# Altium PCB GPS-Tracker.PcbDoc
Units mm, origin at the board's own origin, x right, y up, seen from the top; angles counter-clockwise.
Board outline 85 x 45 mm, 2 copper layers (Top Layer, Bottom Layer), stack 0.87 mm thick; 65 components, 55 nets, 310 pads, 442 vias.
Unrouted connection lines stored in the file: 81.
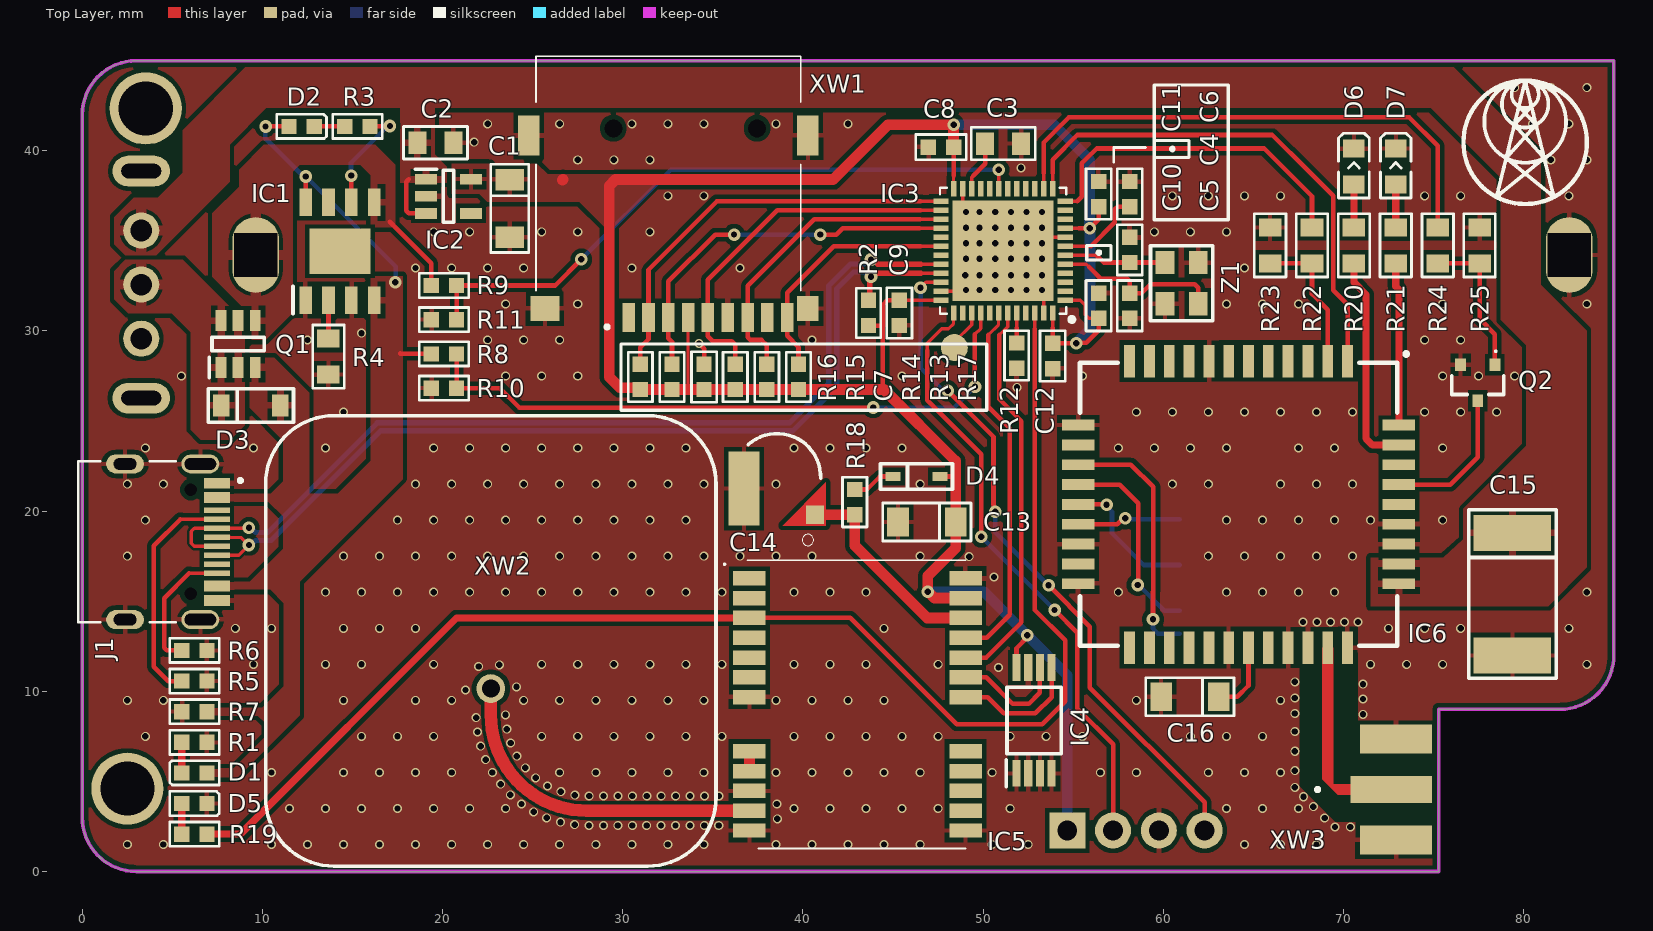
[diagram p0: Top Layer view]
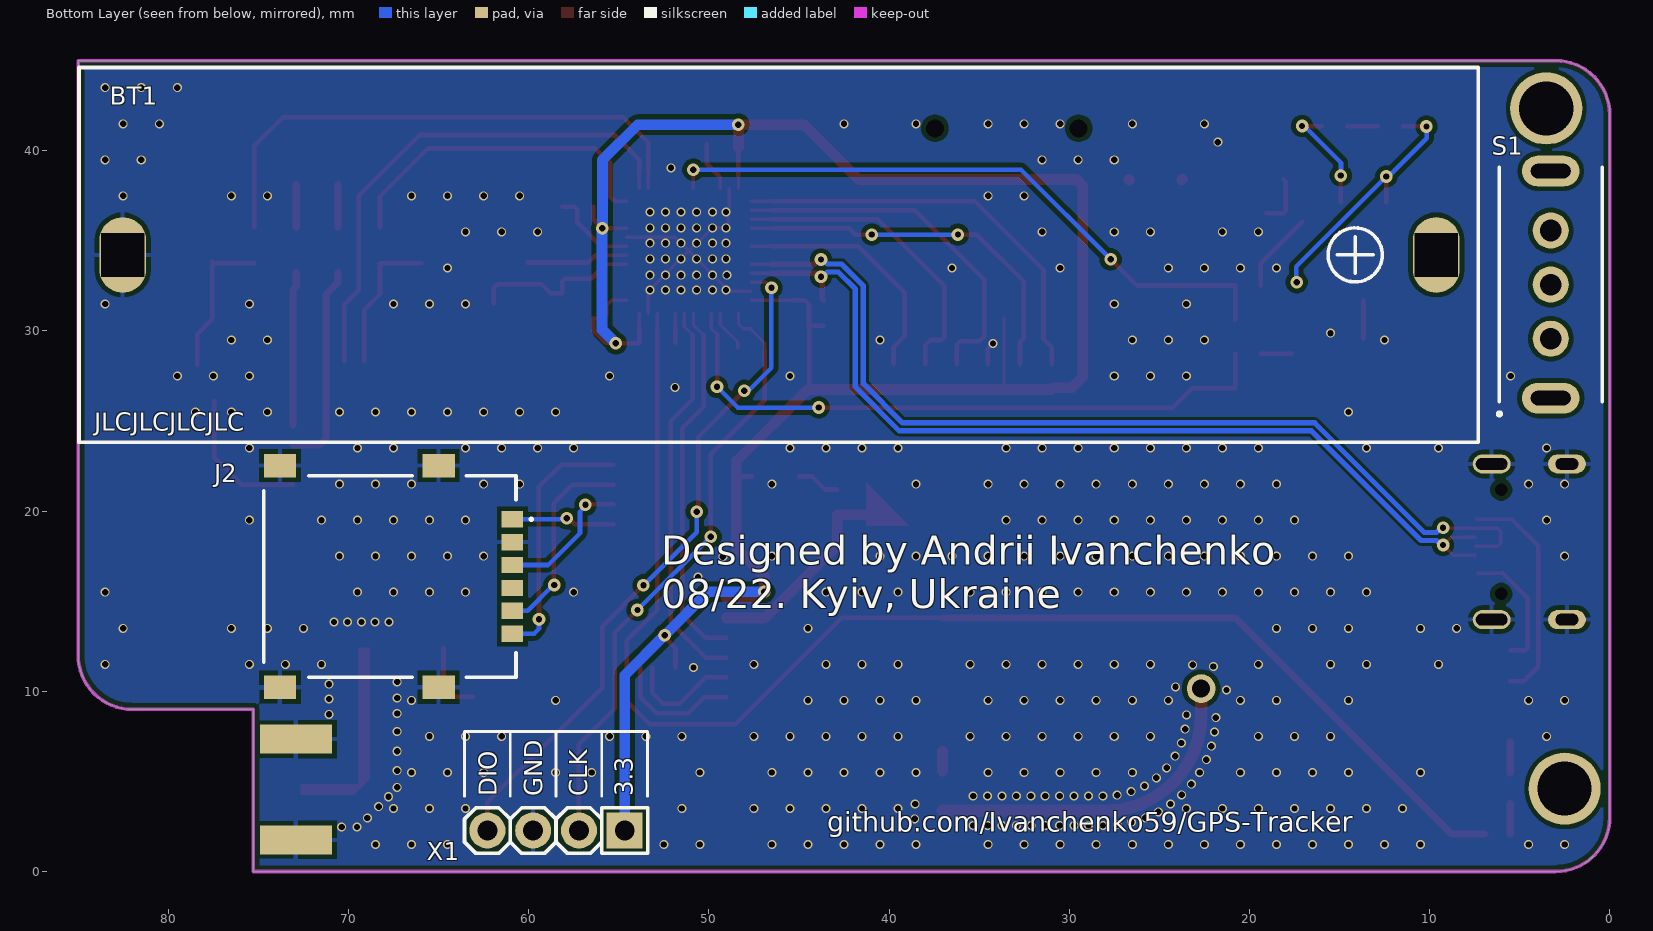
[diagram p1: Bottom Layer view, seen from below]
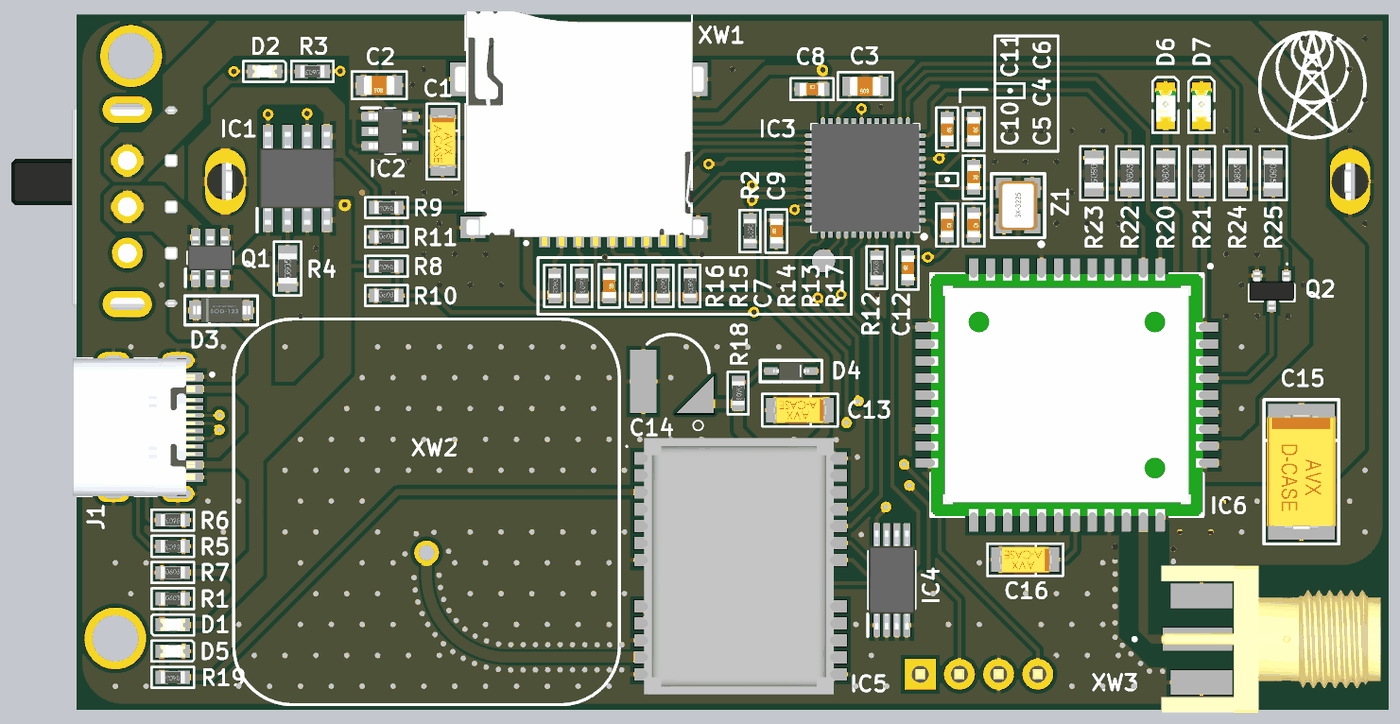
[diagram p2: 3D render of the assembled board from above, using the file's embedded part models]
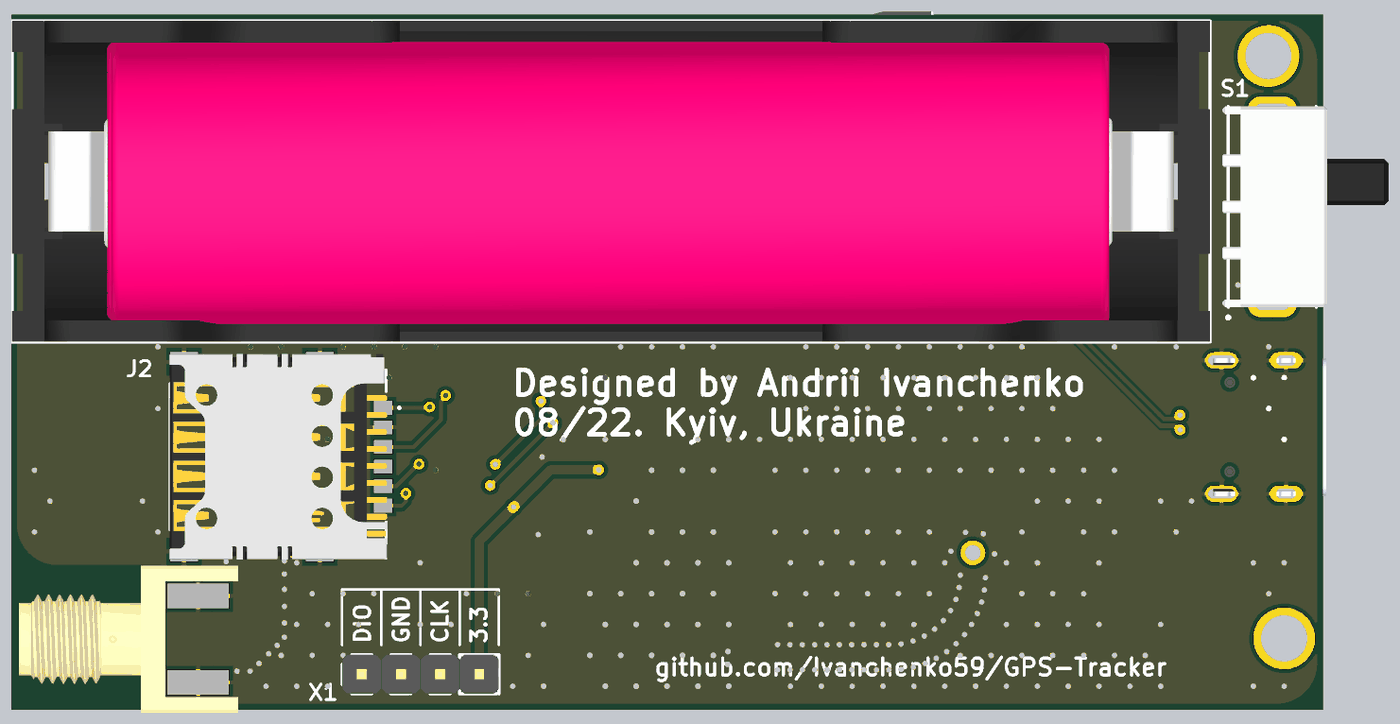
[diagram p3: 3D render of the assembled board from below, using the file's embedded part models]

## Layer stack, top to bottom
Top Solder: solder mask 0.0102, Solder Resist, Dk 3.5
Top Layer: signal copper 0.035
Dielectric 1: dielectric 0.8, FR-4, Dk 4.8
Bottom Layer: signal copper 0.035
Bottom Solder: solder mask 0.0102, Solder Resist, Dk 3.5

## Board outline
3,0 cw(c3,3) 0,3 0,42 cw(c3,42) 3,45 85,45 85,12 cw(c82,12) 82,9 75.275,9 75.275,0

## Design rules (kind name [scope] priority, off if disabled: settings)
BoardOutlineClearance [All] p1: gap=0.2 ignorepadtopadclearanceinfootprint=FALSE
Clearance USB_Clearance [All vs (InNet('USB_N') OR InNet('USB_P'))] p1: gap=0.254 ignorepadtopadclearanceinfootprint=FALSE except(0.127: Arc-Arc Arc-Track Track-Track SMDPad-SMDPad; 0.15: Arc-Fill Arc-Poly Arc-Region Track-Fill Track-Poly Track-Region; 0.33: Arc-THPad Track-THPad; 0.5: THPad-THPad)
Clearance RF_50Ohm_Clearance [All vs (InNet('NetIC7_32') OR InNet('NetIC5_11'))] p2: gap=0.254 ignorepadtopadclearanceinfootprint=FALSE except(0.127: SMDPad-SMDPad; 0.16: Arc-SMDPad Arc-THPad Arc-Via Arc-Fill Arc-Poly Arc-Region Arc-Hole Track-SMDPad Track-THPad Track-Via Track-Fill Track-Poly Track-Region Track-Hole; 0.5: THPad-THPad)
Clearance [All] p3: gap=0.254 ignorepadtopadclearanceinfootprint=FALSE except(0.127: Arc-Arc Arc-Track Track-Track SMDPad-SMDPad; 0.33: Arc-THPad Track-THPad; 0.5: THPad-THPad)
DiffPairsRouting USB_Diff [InDifferentialPair('USB')] p1: maxlimit=0.15 minlimit=0.15 mostfreqgap=0.15 toplayer_minwidth=0.18 toplayer_maxwidth=0.295 toplayer_prefwidth=0.295 bottomlayer_minwidth=0.18 bottomlayer_maxwidth=0.295 bottomlayer_prefwidth=0.295 impedanceprofiledriven=TRUE impedanceprofileid={9E6FEBDC-675C-4679-B307-4B238D917991} impedanceprofilevalue=90.000000 maxuncoupledlength=12.7
DiffPairsRouting [All] p2: maxlimit=0.254 minlimit=0.254 mostfreqgap=0.254 toplayer_minwidth=0.381 toplayer_maxwidth=0.381 toplayer_prefwidth=0.381 bottomlayer_minwidth=0.381 bottomlayer_maxwidth=0.381 bottomlayer_prefwidth=0.381 maxuncoupledlength=12.7
HoleSize [All] p1: absolutevalues=TRUE maxlimit=6.3 minlimit=0.2 maxpercent=80.000 minpercent=20.000
MinimumSolderMaskSliver MinimumSolderMaskSliver_TSSOP [InComponent('IC3') OR InComponent('IC4') OR InComponent('IC5') OR InComponent('IC6') OR InComponent('j1')] p1: minsoldermaskwidth=0.1
MinimumSolderMaskSliver [All] p2: minsoldermaskwidth=0.2
PolygonConnect PolygonConnect_1 [All vs (InNet('+5V') OR InNet('NetD3_2') OR InNet('VBATT')  OR InNet('VCC'))] p1: thpad.connectstyle=Relief thpad.reliefconductorwidth=0.6 thpad.reliefentries=4 thpad.polygonreliefangle="90 Angle" thpad.airgapwidth=0.2 smdpad.connectstyle=Relief smdpad.reliefconductorwidth=0.4 smdpad.reliefentries=4 smdpad.polygonreliefangle="90 Angle" smdpad.airgapwidth=0.254 via.connectstyle=Direct via.reliefconductorwidth=0.254 via.reliefentries=4 via.polygonreliefangle="90 Angle" via.airgapwidth=0.254
PolygonConnect [All] p2: thpad.connectstyle=Relief thpad.reliefconductorwidth=0.254 thpad.reliefentries=4 thpad.polygonreliefangle="90 Angle" thpad.airgapwidth=0.254 smdpad.connectstyle=Relief smdpad.reliefconductorwidth=0.254 smdpad.reliefentries=4 smdpad.polygonreliefangle="90 Angle" smdpad.airgapwidth=0.254 via.connectstyle=Direct via.reliefconductorwidth=0.254 via.reliefentries=4 via.polygonreliefangle="90 Angle" via.airgapwidth=0.254
RoutingCorners [All] p1: cornerstyle=45-Degree minsetback=1.27 maxsetback=1.27
RoutingVias [All] p1: holewidth=0.35 width=0.7 viastyle="Through Hole" minholewidth=0.25 minwidth=0.5 maxholewidth=0.5 maxwidth=1
SMDEntry [All] p1: side=TRUE corner=FALSE anyangle=FALSE
SMDToCorner [All] p1: distance=0
SilkToSolderMaskClearance [IsPad] p1: minsilkscreentomaskgap=0.15 clearancetoexposedcopper=TRUE
SolderMaskExpansion StitchingGND [IsVia AND InNet('GND')] p1: expansion=0.102 istentingtop=TRUE
SolderMaskExpansion [All] p2: expansion=0.05 istentingtop=FALSE
UnRoutedNet [All] p1: checkbadconnections=TRUE
Width RF_50Ohm_Width [(InNet('NetIC7_32') OR InNet('NetIC5_11'))] p1: maxlimit=0.7 minlimit=0.7 preferedwidth=0.7 impedanceprofiledriven=TRUE impedanceprofileid={53BB7A07-E7C6-41C0-8DC0-B11DC7E8886F} impedanceprofilevalue=50.000000 minimp=50.000000 maximp=50.000000 favimp=50.000000
Width Default [All] p2: maxlimit=0.6 minlimit=0.18 preferedwidth=0.254 minimp=50.000000 maximp=50.000000 favimp=50.000000
24 further rules are at their usual default settings.

## Classes and differential pairs
component class MCU-Board: BT1 C1 C2 C3 C4 C5 C6 C7 C8 C9 C10 C11 C12 D1 D2 D3 IC1 IC2 IC3 J1 Q1 R1 R2 R3 R4 R5 R6 R7 R8 R9 R10 R11 R12 R13 R14 R15 R16 R17 S1 X1 XW1 Z1
component class GSM-Board: C15 C16 D6 D7 IC6 J2 Q2 R20 R21 R22 R23 R24 R25 XW3
component class GPS-Board: C13 C14 D4 D5 IC4 IC5 R18 R19 XW2
differential pair USB: +USB_P -USB_N

## Components (designator, comment, footprint, x,y, rotation, side; value= is the part's Value field where it differs from the comment)
BT1 "BATT" "CON: HOLDER 18650 X1" 9.63,34.22 r0 bottom locked
C1 "10u" "CAP: TANTAL-A" 23.725,36.8 r270 top
C2 "10u" "CAP: 0805" 19.6,40.45 r180 top
C3 "2.2u" "CAP: 0805" 51.11,40.4 r180 top
C4 "8p" "CAP: 0603" 58.135,34.5 r270 top
C5 "8p" "CAP: 0603" 58.135,31.4 r270 top
C6 "100n" "CAP: 0603" 58.135,37.6 r270 top
C7 "100n" "CAP: 0603" 34.51,27.45 r270 top
C8 "100n" "CAP: 0603" 47.66,40.2 r0 top
C9 "100n" "CAP: 0603" 45.35,31 r90 top
C10 "100n" "CAP: 0603" 56.41,31.4 r270 top
C11 "100n" "CAP: 0603" 56.41,37.6 r270 top
C12 "100n" "CAP: 0603" 53.86,28.61 r90 top
C13 "10u" "CAP: TANTAL-A" 46.875,19.4 r180 top
C14 "=VALUE" "CAP: IONISTOR" 38.575,21.9 r270 top
C15 "100uF" "CAP: TANTAL-D" 79.375,15.4 r270 top
C16 "4.7uF" "CAP: TANTAL-A" 61.475,9.7 r180 top
D1 "=VALUE" "LED 0603_1608" 6.225,5.473 r180 top
D2 "=VALUE" "LED 0603_1608" 12.175,41.35 r0 top
D3 "1N4148W" "DIODE: SOD123" 11,25.875 r180 top
D4 "" "DIODE: SOD323" 46.3,21.925 r180 top
D5 "=VALUE" "LED 0603_1608" 6.225,3.774 r0 top
D6 "=VALUE" LED0805 70.575,39.125 r90 top
D7 "=VALUE" LED0805 72.9,39.125 r90 top
IC1 "TP4056" SOIC127P600X175-9N 14.3,34.425 r90 top
IC2 "LP2981IM5X-3.3" SOT95P280X145-5N 20.325,37.475 r0 top
IC3 "STM32F401CCU6" QFN50P700X700X60-49N-D 51.11,34.45 r180 top
IC4 "24AA32A-I_ST" SOP65P640X120-8N 52.825,8.387 r90 top
IC5 "NEO-6M-0-001" NEO6M0001 42.525,9.275 r180 top
IC6 "SIM800C" SIM800C 64.175,20.375 r270 top locked
J1 "TYPE-C" HRO_TYPE-C-31-M-12 2.375,18.3 r270 top locked
J2 "L-KLS1-SIM-077A-6P-H1.4-R" LKLS1SIM077A6PH14R 67.7,16.375 r270 bottom
Q1 "IRLML6402" SOT95P280X130-6N 8.65,29.275 r90 top
Q2 "BC817-40,215" BC81740215 77.45,27.125 r180 top
R1 "Resistor film, 680R, , 0201, 0.05W, -55...+125°C" "RES: 0603" 6.225,7.172 r0 top value=680R
R2 "Resistor film, 1.5k, , 0201, 0.05W, -55...+125°C" "RES: 0603" 43.635,31 r270 top value=1.5k
R3 "Resistor film, 680R, , 0201, 0.05W, -55...+125°C" "RES: 0603" 15.275,41.35 r180 top value=680R
R4 "Resistor film, 1.2k, , 0201, 0.05W, -55...+125°C" "RES: 0805" 13.665,28.575 r90 top value=1.2k
R5 "Resistor film, 5.1k, , 0201, 0.05W, -55...+125°C" "RES: 0603" 6.225,10.57 r180 top value=5.1k
R6 "Resistor film, 5.1k, , 0201, 0.05W, -55...+125°C" "RES: 0603" 6.225,12.269 r180 top value=5.1k
R7 "Resistor film, 100k, , 0201, 0.05W, -55...+125°C" "RES: 0603" 6.225,8.871 r0 top value=100k
R8 "Resistor film, 9.1k, , 0201, 0.05W, -55...+125°C" "RES: 0603" 20.075,28.725 r180 top value=9.1k
R9 "Resistor film, 4.7k, , 0201, 0.05W, -55...+125°C" "RES: 0603" 20.075,32.525 r180 top value=4.7k
R10 "Resistor film, 16k, , 0201, 0.05W, -55...+125°C" "RES: 0603" 20.075,26.825 r0 top value=16k
R11 "Resistor film, 17k, , 0201, 0.05W, -55...+125°C" "RES: 0603" 20.075,30.625 r0 top value=17k
R12 "Resistor film, 9.1k, , 0201, 0.05W, -55...+125°C" "RES: 0603" 51.86,28.635 r90 top value=9.1k
R13 "Resistor film, 9.1k, , 0201, 0.05W, -55...+125°C" "RES: 0603" 37.995,27.45 r270 top value=9.1k
R14 "Resistor film, 9.1k, , 0201, 0.05W, -55...+125°C" "RES: 0603" 36.24,27.45 r270 top value=9.1k
R15 "Resistor film, 9.1k, , 0201, 0.05W, -55...+125°C" "RES: 0603" 32.73,27.45 r270 top value=9.1k
R16 "Resistor film, 9.1k, , 0201, 0.05W, -55...+125°C" "RES: 0603" 30.975,27.45 r270 top value=9.1k
R17 "Resistor film, 9.1k, , 0201, 0.05W, -55...+125°C" "RES: 0603" 39.75,27.45 r270 top value=9.1k
R18 "Resistor film, 1k, , 0201, 0.05W, -55...+125°C" "RES: 0603" 42.875,20.5 r270 top value=1k
R19 "Resistor film, 1k, , 0201, 0.05W, -55...+125°C" "RES: 0603" 6.225,2.075 r180 top value=1k
R20 "Resistor film, 1k, , 0201, 0.05W, -55...+125°C" "RES: 0805" 70.575,34.75 r90 top value=1k
R21 "Resistor film, 1k, , 0201, 0.05W, -55...+125°C" "RES: 0805" 72.9,34.75 r90 top value=1k
R22 "Resistor film, 1k, , 0201, 0.05W, -55...+125°C" "RES: 0805" 68.25,34.75 r90 top value=1k
R23 "Resistor film, 5.6k, , 0201, 0.05W, -55...+125°C" "RES: 0805" 65.925,34.75 r270 top value=5.6k
R24 "Resistor film, 4.7k, , 0201, 0.05W, -55...+125°C" "RES: 0805" 75.225,34.75 r90 top value=4.7k
R25 "Resistor film, 47k, , 0201, 0.05W, -55...+125°C" "RES: 0805" 77.55,34.75 r270 top value=47k
S1 "OS102011MA1QN1" OS102011MA1QN1 3.275,32.575 r90 bottom locked
X1 "" "CON: PLS-4" 58.48,2.275 r0 bottom
XW1 "TFP09-2-12B" TFP09212B 32.525,45.25 r270 top locked
XW2 "=VALUE" "ANT: PCB" 22.675,10.15 r0 top locked
XW3 "=VALUE" "CON: SMA EDGE MOUNT" 75,4.55 r90 top
Z1 "Crystal, 25MHz, 6pF, ±50ppm, case 2016, -30...+85°C" "OSC: 3225" 61.01,32.65 r90 top

## Footprints (in the part's own frame and the unit in brackets; to place one, negate y for a bottom-side part, rotate by r counter-clockwise, add the part's x,y. Pads: shape width x height; smd on the part's side, far side on the other; paste and mask are expansions set on the pad)
"ANT: PCB" [mm]
  round 1.6 hole 1: 1(0,0)
  silkscreen extent -12.5,-9.85 12.5,15.15, body extent -12.5,-9.85 12.5,15.15, height 4.3
BC81740215 [mm]
  rect 0.6x0.7 smd: 1(-0.95,-1) 2(0.95,-1) 3(0,1)
  silkscreen extent -1.45,-1.8 1.45,0.65, body extent -1.45,-1.2 1.45,1.2, height 0.91
"CAP: 0603" [mm]
  rect 0.85x0.85 smd: 1(-0.7,0) 2(0.7,0)
  silkscreen extent -1.4,-0.7 1.4,0.7, body extent -0.8,-0.4 0.8,0.4, height 0.3
"CAP: 0805" [mm]
  rect 1x1.25 smd: 1(-1,0) 2(1,0)
  silkscreen extent -1.78,-0.9 1.78,0.9, body extent -1,-0.62 1,0.63, height 0.78
"CAP: IONISTOR" [mm]
  rect 1x1 smd: 1(2.1,2.1)
  rect 4.1x1.7 smd: 2(0.65,-1.85)
  Top Layer region: 2.7,0.3 0.3,2.7 2.7,2.7
  silkscreen extent -2.4,-1.61 3.82,2.4
"CAP: TANTAL-A" [mm]
  rect 1.2x1.6 smd: 1(-1.6,0) 2(1.6,0)
  silkscreen extent -2.45,-1.05 2.45,1.05, body extent -1.7,-0.84 1.7,0.84, height 1.71
"CAP: TANTAL-D" [mm]
  rect 2x4.3 smd: 1(-3.4,0) 2(3.4,0)
  silkscreen extent -4.67,-2.42 4.68,2.42, body extent -3.7,-2.22 3.7,2.23, height 3.01
"CON: HOLDER 18650 X1" [mm]
  oval 2.6x4.2 hole 2.4 square: 1(0,0) 2(72.9,0)
  silkscreen extent -2.33,-10.4 75.33,10.4, body extent -2.33,-10.4 75.33,10.4, height 21.87
"CON: PLS-4" [mm] "PLS-40 4 pin header"
  rect 2x2 hole 1.1: 1(-3.81,0)
  round 2 hole 1.1: 2(-1.27,0) 3(1.27,0) 4(3.81,0)
  silkscreen extent -5.08,-1.27 5.08,1.27, body extent -5.08,-1.27 5.08,1.27, height 8.54
"CON: SMA EDGE MOUNT" [mm]
  rect 1.5x4.5 smd: 1(0,2.35)
  rect 1.6x4 smd: 2(-2.8,2.1) 2(2.8,2.1)
  rect 1.6x4 smd far side: 2(-2.8,2.1) 2(2.8,2.1)
  silkscreen extent -0.1,6.34 0.1,6.54, body extent -5.37,-20.18 41.49,4.7, height 4.99
"DIODE: SOD123" [mm]
  rect 0.91x1.22 smd: 1(0,0) 2(3.275,0)
  silkscreen extent -0.72,-0.92 4,0.95, body extent -0.25,-0.8 3.45,0.8, height 1.25
"DIODE: SOD323" [mm]
  rect 0.85x0.5 smd: 1(-1.3,0) 2(1.3,0)
  silkscreen extent -2,-0.7 2,0.7, body extent -1.15,-0.6 1.15,0.6, height 1.04
HRO_TYPE-C-31-M-12 [mm]
  rect 0.6x1.45 smd: A1B12(-3.25,5.095) A4B9(-2.45,5.095) B1A12(3.25,5.095) B4A9(2.45,5.095)
  rect 0.3x1.45 smd: A5(-1.25,5.095) A6(-0.25,5.095) A7(0.25,5.095) A8(1.25,5.095) B5(1.75,5.095) B6(0.75,5.095) B7(-0.75,5.095) B8(-1.75,5.095)
  oval 1.05x2.1 hole 0.65 slot 1.75 at 90 deg: S1(-4.32,4.18) S2(4.32,4.18)
  oval 1.05x2.1 hole 0.65 slot 1.25 at 90 deg: S3(-4.32,0) S4(4.32,0)
  round 0 hole 0.7 unplated: ""(-2.89,3.65) ""(2.89,3.65)
  silkscreen extent -4.47,-2.6 4.47,6.5, body extent -4.47,-2.6 4.47,5.31, height 3.31
LED0805 [mm] "LED SMD 0805, WHITE"
  rect 1x1.2 smd paste-2 mask+0.075: 1(-1,0) 2(1,0)
  Top Layer pour cut-out: -0.5,0.8 0.5,0.8 0.5,-0.8 -0.5,-0.8
  silkscreen extent -1.75,-0.85 1.85,0.85, body extent -1,-0.63 1,0.63, height 0.7
"LED 0603_1608" [mm] "Chip Diode, 2-Leads, Body 1.60x0.80mm, IPC Medium Density"
  rect 0.85x0.85 smd: 1(-0.7,0) 2(0.7,0)
  silkscreen extent -1.38,-0.67 1.38,0.67, body extent -0.8,-0.4 0.8,0.4, height 0.53
LKLS1SIM077A6PH14R [mm]
  rect 0.9x1.2 smd: C1(-3.175,6.8) C2(-0.635,6.8) C3(1.905,6.8) C5(-1.905,6.8) C6(0.635,6.8) C7(3.175,6.8)
  rect 1.3x1.8 smd: SW1(-6.15,2.7) SW2(-6.15,-6.1) SW3(6.15,-6.1) SW4(6.15,2.7)
  silkscreen extent -5.6,-7 5.6,7.9, body extent -6.65,-7.05 6.65,7.05, height 1.32
NEO6M0001 [mm]
  rect 1.8x0.8 smd: 1(5.5,-7) 2(5.5,-5.9) 3(5.5,-4.8) 4(5.5,-3.7) 5(5.5,-2.6) 6(5.5,-1.5) 7(5.5,-0.4) 8(5.5,2.6) 9(5.5,3.7) 10(5.5,4.8) 11(5.5,5.9) 12(5.5,7) 13(-6.5,7) 14(-6.5,5.9) 15(-6.5,4.8) 16(-6.5,3.7) 17(-6.5,2.6) 18(-6.5,-0.4) 19(-6.5,-1.5) 20(-6.5,-2.6) 21(-6.5,-3.7) 22(-6.5,-4.8) 23(-6.5,-5.9) 24(-6.5,-7)
  silkscreen extent -6.5,-8 6.92,8, body extent -6.55,-8.3 5.75,8.3, height 2.64
OS102011MA1QN1 [mm]
  round 2 hole 1.2: 1(-3,0) 2(0,0) 3(3,0)
  oval 1.7x3.2 hole 0.8 slot 2.2 at 90 deg: 4(-6.3,0) 5(6.3,0)
  silkscreen extent -7.27,-2.85 6.5,2.95, body extent -6.5,-7.55 6.5,3.25, height 5.6
"OSC: 3225" [mm]
  rect 1.3x1.05 smd: 1(-1.15,-0.925) 2(1.15,-0.925) 3(1.15,0.925) 4(-1.15,0.925)
  round 0.5 on Top Overlay: ""(-2.5,-1.5)
  silkscreen extent -2.07,-1.73 2.07,1.73, body extent -1.6,-1.25 1.6,1.25, height 0.81
QFN50P700X700X60-49N-D [mm]
  rect 0.85x0.3 smd: 1(-3.45,2.75) 2(-3.45,2.25) 3(-3.45,1.75) 4(-3.45,1.25) 5(-3.45,0.75) 6(-3.45,0.25) 7(-3.45,-0.25) 8(-3.45,-0.75) 9(-3.45,-1.25) 10(-3.45,-1.75) 11(-3.45,-2.25) 12(-3.45,-2.75) 25(3.45,-2.75) 26(3.45,-2.25) 27(3.45,-1.75) 28(3.45,-1.25) 29(3.45,-0.75) 30(3.45,-0.25) 31(3.45,0.25) 32(3.45,0.75) 33(3.45,1.25) 34(3.45,1.75) 35(3.45,2.25) 36(3.45,2.75)
  rect 0.3x0.85 smd: 13(-2.75,-3.45) 14(-2.25,-3.45) 15(-1.75,-3.45) 16(-1.25,-3.45) 17(-0.75,-3.45) 18(-0.25,-3.45) 19(0.25,-3.45) 20(0.75,-3.45) 21(1.25,-3.45) 22(1.75,-3.45) 23(2.25,-3.45) 24(2.75,-3.45) 37(2.75,3.45) 38(2.25,3.45) 39(1.75,3.45) 40(1.25,3.45) 41(0.75,3.45) 42(0.25,3.45) 43(-0.25,3.45) 44(-0.75,3.45) 45(-1.25,3.45) 46(-1.75,3.45) 47(-2.25,3.45) 48(-2.75,3.45)